# KiCad board JL.kicad_pcb (continued)
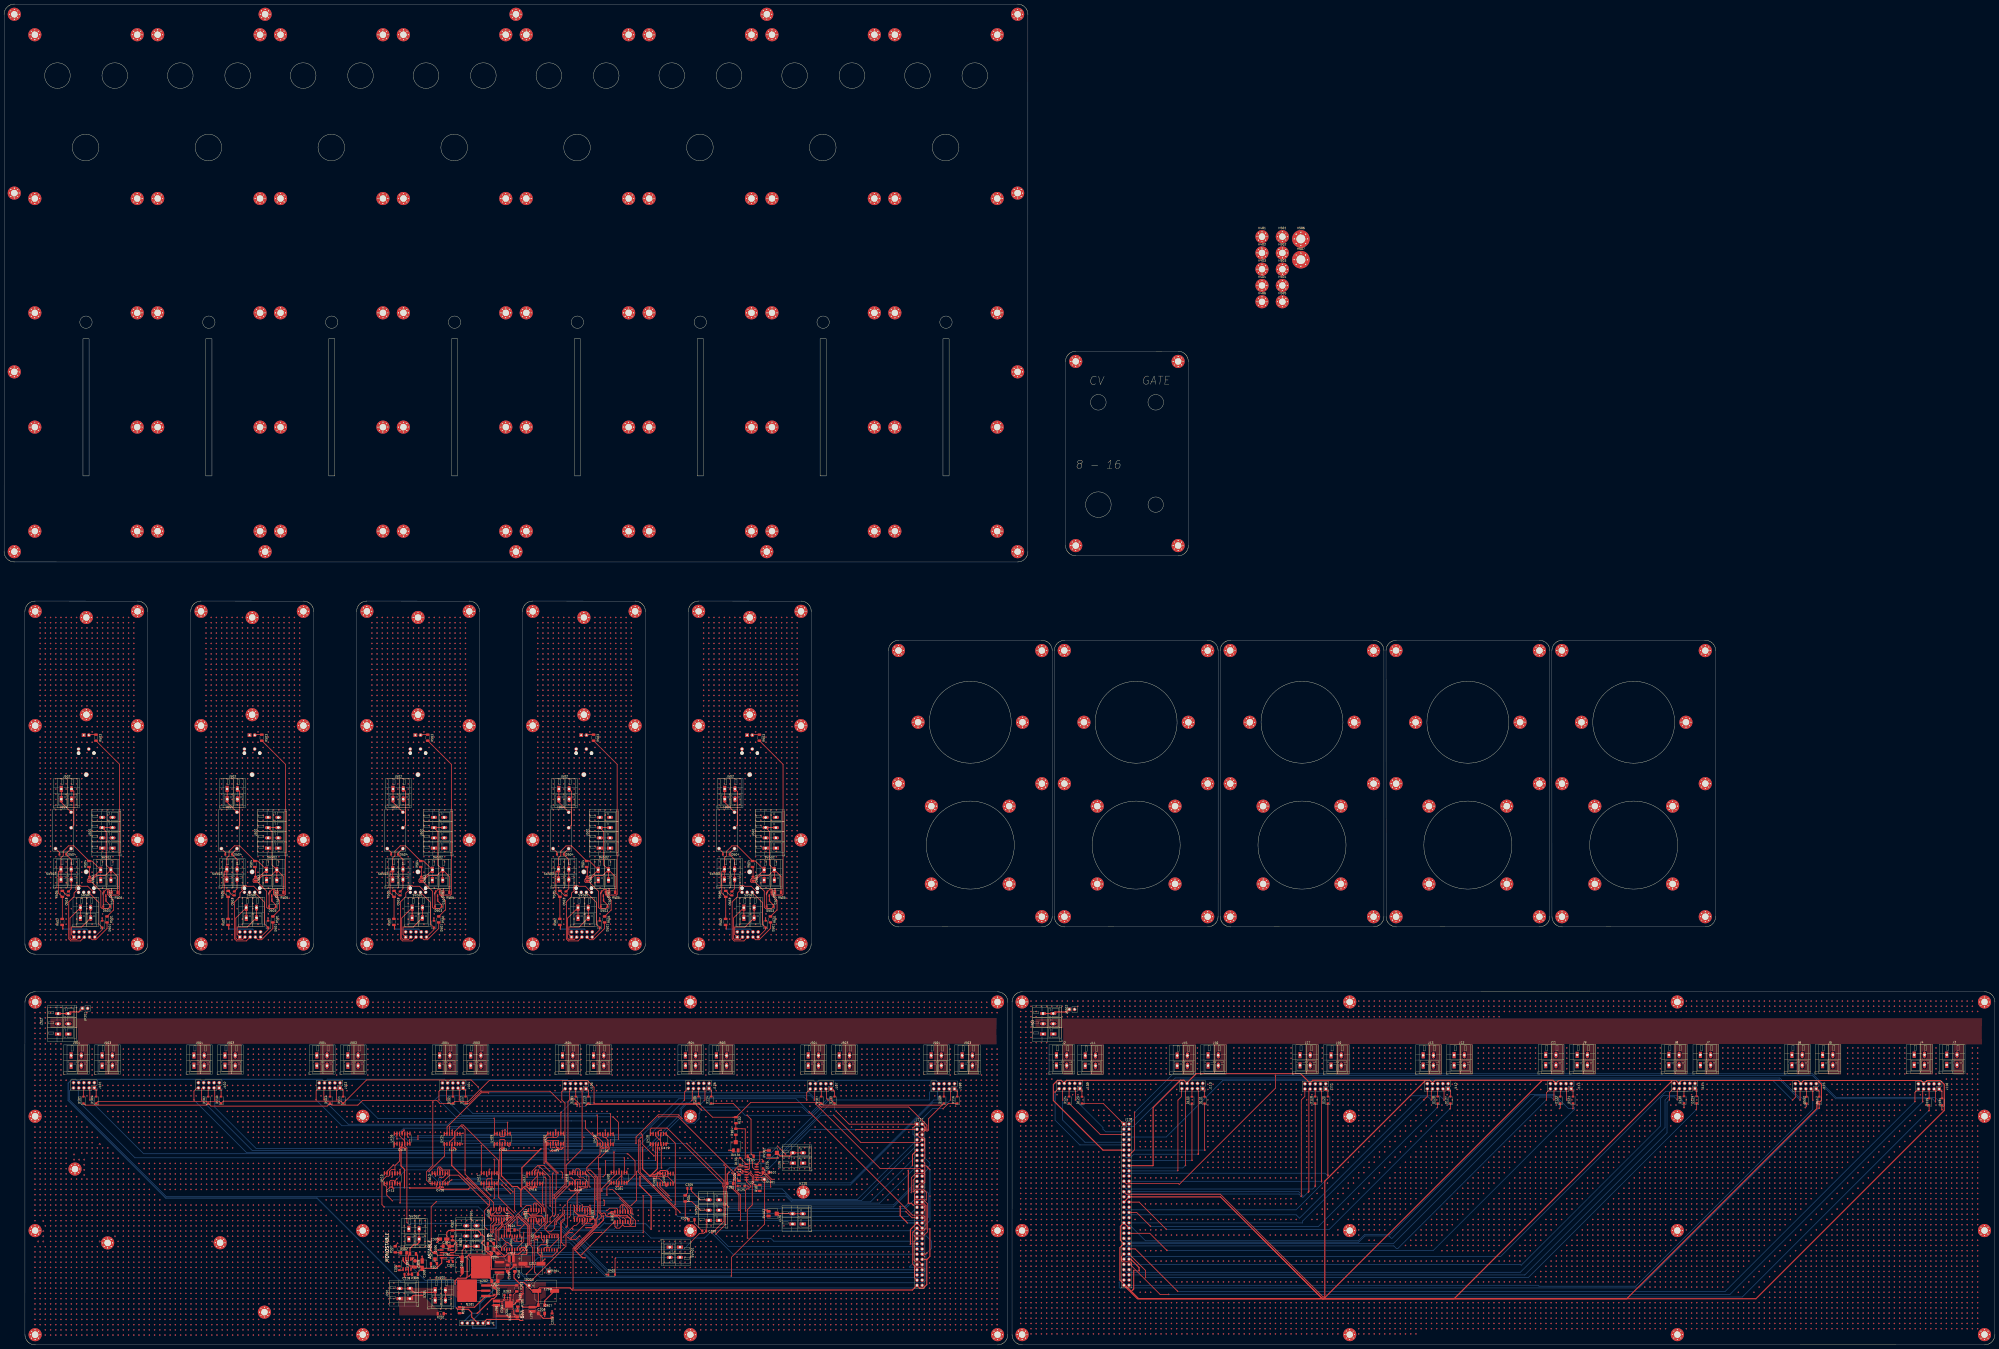
[diagram p0: board, top side]
## Routing (per net, layer and track width the routed paths; a pad name or vN(x,y) marks a point on that pad's centre or on a via; arc(x,y) is an arc through that point) (continued)
v1(241.13,164.83) v1(241.13,162.29) v1(241.13,144.51) v1(241.13,141.97) v1(241.13,139.43) v1(241.13,136.89) v1(241.13,134.35) v1(241.13,131.81) v1(241.13,126.73) v1(241.13,119.11) v1(241.13,116.57) v1(241.13,114.03) v1(241.13,4.81) v1(243.67,167.37) v1(243.67,164.83) v1(243.67,162.29) v1(243.67,144.51) v1(243.67,141.97) v1(243.67,139.43) v1(243.67,136.89) v1(243.67,134.35) v1(243.67,131.81) v1(243.67,126.73) v1(243.67,119.11) v1(243.67,116.57) v1(243.67,114.03) v1(243.67,9.89) v1(243.67,7.35) v1(243.67,4.81) v1(246.21,167.37) v1(246.21,164.83) v1(246.21,162.29) v1(246.21,144.51) v1(246.21,141.97) v1(246.21,139.43) v1(246.21,136.89) v1(246.21,134.35) v1(246.21,131.81) v1(246.21,126.73) v1(246.21,119.11) v1(246.21,116.57) v1(246.21,114.03) v1(246.21,32.75) v1(246.21,9.89) v1(246.21,7.35) v1(246.21,4.81) v1(248.75,167.37) v1(248.75,164.83) v1(248.75,162.29) v1(248.75,144.51) v1(248.75,141.97) v1(248.75,139.43) v1(248.75,136.89) v1(248.75,134.35) v1(248.75,131.81) v1(248.75,126.73) v1(248.75,119.11) v1(248.75,116.57) v1(248.75,114.03) v1(248.75,96.25) v1(248.75,9.89) v1(248.75,7.35) v1(248.75,4.81) v1(251.29,167.37) v1(251.29,164.83) v1(251.29,162.29) v1(251.29,144.51) v1(251.29,141.97) v1(251.29,139.43) v1(251.29,136.89) v1(251.29,134.35) v1(251.29,131.81) v1(251.29,126.73) v1(251.29,119.11) v1(251.29,116.57) v1(251.29,114.03) v1(251.29,96.25) v1(251.29,32.75) v1(251.29,9.89) v1(251.29,7.35) v1(251.29,4.81) v1(253.83,167.37) v1(253.83,164.83) v1(253.83,162.29) v1(253.83,144.51) v1(253.83,141.97) v1(253.83,139.43) v1(253.83,136.89) v1(253.83,134.35) v1(253.83,131.81) v1(253.83,126.73) v1(253.83,119.11) v1(253.83,116.57) v1(253.83,114.03) v1(253.83,96.25) v1(253.83,9.89) v1(253.83,7.35) v1(253.83,4.81) v1(256.37,167.37) v1(256.37,164.83) v1(256.37,162.29) v1(256.37,144.51) v1(256.37,141.97) v1(256.37,139.43) v1(256.37,136.89) v1(256.37,134.35) v1(256.37,131.81) v1(256.37,126.73) v1(256.37,119.11) v1(256.37,116.57) v1(256.37,114.03) v1(256.37,96.25) v1(256.37,9.89) v1(256.37,7.35) v1(256.37,4.81) v1(258.91,167.37) v1(258.91,164.83) v1(258.91,162.29) v1(258.91,144.51) v1(258.91,141.97) v1(258.91,139.43) v1(258.91,136.89) v1(258.91,134.35) v1(258.91,131.81) v1(258.91,126.73) v1(258.91,119.11) v1(258.91,116.57) v1(258.91,114.03) v1(258.91,96.25) v1(258.91,9.89) v1(258.91,7.35) v1(258.91,4.81) v1(261.45,167.37) v1(261.45,164.83) v1(261.45,162.29) v1(261.45,144.51) v1(261.45,141.97) v1(261.45,139.43) v1(261.45,136.89) v1(261.45,134.35) v1(261.45,131.81) v1(261.45,126.73) v1(261.45,119.11) v1(261.45,116.57) v1(261.45,114.03) v1(261.45,9.89) v1(261.45,7.35) v1(261.45,4.81) v1(263.99,167.37) v1(263.99,164.83) v1(263.99,162.29) v1(263.99,144.51) v1(263.99,141.97) v1(263.99,139.43) v1(263.99,136.89) v1(263.99,134.35) v1(263.99,131.81) v1(263.99,126.73) v1(263.99,119.11) v1(263.99,116.57) v1(263.99,114.03) v1(263.99,35.29) v1(263.99,17.51) v1(263.99,9.89) v1(263.99,7.35) v1(263.99,4.81) v1(266.53,167.37) v1(266.53,164.83) v1(266.53,162.29) v1(266.53,144.51) v1(266.53,141.97) v1(266.53,139.43) v1(266.53,136.89) v1(266.53,134.35) v1(266.53,131.81) v1(266.53,126.73) v1(266.53,119.11) v1(266.53,116.57) v1(266.53,114.03) v1(266.53,37.83) v1(266.53,9.89) v1(266.53,7.35) v1(266.53,4.81) v1(269.07,167.37) v1(269.07,164.83) v1(269.07,162.29) v1(269.07,126.73) v1(269.07,124.19) v1(269.07,119.11) v1(269.07,116.57) v1(269.07,114.03) v1(269.07,40.37) v1(269.07,37.83) v1(269.07,35.29) v1(269.07,22.59) v1(269.07,20.05) v1(269.07,17.51) v1(269.07,9.89) v1(269.07,7.35) v1(269.07,4.81) v1(271.61,167.37) v1(271.61,164.83) v1(271.61,162.29) v1(271.61,126.73) v1(271.61,116.57) v1(271.61,68.31) v1(271.61,65.77) v1(271.61,40.37) v1(271.61,37.83) v1(271.61,35.29) v1(271.61,22.59) v1(271.61,20.05) v1(271.61,17.51) v1(271.61,14.97) v1(271.61,12.43) v1(271.61,9.89) v1(271.61,7.35) v1(271.61,4.81) v1(274.15,167.37) v1(274.15,164.83) v1(274.15,162.29) v1(274.15,40.37) v1(274.15,37.83) v1(274.15,35.29) v1(274.15,25.13) v1(274.15,22.59) v1(274.15,20.05) v1(274.15,17.51) v1(274.15,14.97) v1(274.15,12.43) v1(274.15,9.89) v1(274.15,7.35) v1(274.15,4.81) v1(276.69,167.37) v1(276.69,164.83) v1(276.69,162.29) v1(276.69,114.03) v1(276.69,60.69) v1(276.69,40.37) v1(276.69,37.83) v1(276.69,35.29) v1(276.69,25.13) v1(276.69,22.59) v1(276.69,20.05) v1(276.69,17.51) v1(276.69,14.97) v1(276.69,12.43) v1(276.69,9.89) v1(276.69,7.35) v1(276.69,4.81) v1(279.23,167.37) v1(279.23,164.83) v1(279.23,162.29) v1(279.23,114.03) v1(279.23,40.37) v1(279.23,37.83) v1(279.23,35.29) v1(279.23,25.13) v1(279.23,22.59) v1(279.23,20.05) v1(279.23,17.51) v1(279.23,14.97) v1(279.23,12.43) v1(279.23,9.89) v1(279.23,7.35) v1(279.23,4.81) v1(281.77,167.37) v1(281.77,164.83) v1(281.77,162.29) v1(281.77,144.51) v1(281.77,141.97) v1(281.77,139.43) v1(281.77,136.89) v1(281.77,134.35) v1(281.77,131.81) v1(281.77,40.37) v1(281.77,37.83) v1(281.77,35.29) v1(281.77,25.13) v1(281.77,22.59) v1(281.77,20.05) v1(281.77,17.51) v1(281.77,14.97) v1(281.77,12.43) v1(281.77,9.89) v1(281.77,7.35) v1(281.77,4.81) v1(284.31,167.37) v1(284.31,164.83) v1(284.31,162.29) v1(284.31,114.03) v1(284.31,40.37) v1(284.31,37.83) v1(284.31,35.29) v1(284.31,25.13) v1(284.31,22.59) v1(284.31,20.05) v1(284.31,17.51) v1(284.31,14.97) v1(284.31,12.43) v1(284.31,9.89) v1(284.31,7.35) v1(284.31,4.81) v1(286.85,167.37) v1(286.85,164.83) v1(286.85,162.29) v1(286.85,124.19) v1(286.85,114.03) v1(286.85,108.95) v1(286.85,37.83) v1(286.85,35.29) v1(286.85,25.13) v1(286.85,22.59) v1(286.85,20.05) v1(286.85,17.51) v1(286.85,14.97) v1(286.85,12.43) v1(286.85,9.89) v1(286.85,7.35) v1(286.85,4.81) v1(289.39,167.37) v1(289.39,164.83) v1(289.39,162.29) v1(289.39,126.73) v1(289.39,124.19) v1(289.39,114.03) v1(289.39,45.45) v1(289.39,35.29) v1(289.39,25.13) v1(289.39,22.59) v1(289.39,20.05) v1(289.39,17.51) v1(289.39,14.97) v1(289.39,12.43) v1(289.39,9.89) v1(289.39,7.35) v1(289.39,4.81) v1(291.93,167.37) v1(291.93,164.83) v1(291.93,162.29) v1(291.93,126.73) v1(291.93,124.19) v1(291.93,119.11) v1(291.93,114.03) v1(291.93,108.95) v1(291.93,50.53) v1(291.93,45.45) v1(291.93,42.91) v1(291.93,25.13) v1(291.93,22.59) v1(291.93,20.05) v1(291.93,17.51) v1(291.93,14.97) v1(291.93,12.43) v1(291.93,9.89) v1(291.93,7.35) v1(294.47,167.37) v1(294.47,164.83) v1(294.47,162.29) v1(294.47,126.73) v1(294.47,124.19) v1(294.47,119.11) v1(294.47,114.03) v1(294.47,108.95) v1(294.47,53.07) v1(294.47,50.53) v1(294.47,45.45) v1(294.47,42.91) v1(294.47,40.37) v1(294.47,25.13) v1(294.47,22.59) v1(294.47,20.05) v1(294.47,17.51) v1(294.47,14.97) v1(294.47,12.43) v1(294.47,9.89) v1(294.47,7.35) v1(297.01,167.37) v1(297.01,164.83) v1(297.01,162.29) v1(297.01,144.51) v1(297.01,141.97) v1(297.01,139.43) v1(297.01,136.89) v1(297.01,134.35) v1(297.01,131.81) v1(297.01,126.73) v1(297.01,124.19) v1(297.01,119.11) v1(297.01,53.07) v1(297.01,50.53) v1(297.01,45.45) v1(297.01,42.91) v1(297.01,40.37) v1(297.01,37.83) v1(297.01,25.13) v1(297.01,22.59) v1(297.01,20.05) v1(297.01,17.51) v1(297.01,14.97) v1(297.01,12.43) v1(297.01,9.89) v1(297.01,7.35) v1(299.55,167.37) v1(299.55,164.83) v1(299.55,162.29) v1(299.55,144.51) v1(299.55,141.97) v1(299.55,139.43) v1(299.55,136.89) v1(299.55,134.35) v1(299.55,131.81) v1(299.55,126.73) v1(299.55,124.19) v1(299.55,119.11) v1(299.55,114.03) v1(299.55,111.49) v1(299.55,53.07) v1(299.55,50.53) v1(299.55,45.45) v1(299.55,40.37) v1(299.55,37.83) v1(299.55,25.13) v1(299.55,22.59) v1(299.55,20.05) v1(299.55,17.51) v1(299.55,14.97) v1(299.55,12.43) v1(299.55,9.89) v1(299.55,7.35) v1(302.09,167.37) v1(302.09,164.83) v1(302.09,162.29) v1(302.09,144.51) v1(302.09,141.97) v1(302.09,139.43) v1(302.09,136.89) v1(302.09,134.35) v1(302.09,131.81) v1(302.09,126.73) v1(302.09,124.19) v1(302.09,119.11) v1(302.09,114.03) v1(302.09,111.49) v1(302.09,108.95) v1(302.09,53.07) v1(302.09,50.53) v1(302.09,45.45) v1(302.09,40.37) v1(302.09,37.83) v1(302.09,25.13) v1(302.09,22.59) v1(302.09,20.05) v1(302.09,17.51) v1(302.09,14.97) v1(302.09,12.43) v1(302.09,9.89) v1(302.09,7.35) v1(304.63,167.37) v1(304.63,164.83) v1(304.63,162.29) v1(304.63,144.51) v1(304.63,141.97) v1(304.63,139.43) v1(304.63,136.89) v1(304.63,134.35) v1(304.63,131.81) v1(304.63,126.73) v1(304.63,124.19) v1(304.63,119.11) v1(304.63,114.03) v1(304.63,111.49) v1(304.63,108.95) v1(304.63,91.17) v1(304.63,86.09) v1(304.63,53.07) v1(304.63,50.53) v1(304.63,45.45) v1(304.63,40.37) v1(304.63,37.83) v1(304.63,25.13) v1(304.63,22.59) v1(304.63,20.05) v1(304.63,17.51) v1(304.63,14.97) v1(304.63,12.43) v1(304.63,9.89) v1(304.63,7.35) v1(307.17,167.37) v1(307.17,164.83) v1(307.17,162.29) v1(307.17,144.51) v1(307.17,141.97) v1(307.17,139.43) v1(307.17,136.89) v1(307.17,134.35) v1(307.17,131.81) v1(307.17,126.73) v1(307.17,124.19) v1(307.17,119.11) v1(307.17,114.03) v1(307.17,111.49) v1(307.17,108.95) v1(307.17,53.07) v1(307.17,50.53) v1(307.17,45.45) v1(307.17,40.37) v1(307.17,37.83) v1(307.17,25.13) v1(307.17,22.59) v1(307.17,20.05) v1(307.17,17.51) v1(307.17,14.97) v1(307.17,12.43) v1(307.17,9.89) v1(307.17,7.35) v1(309.71,167.37) v1(309.71,164.83) v1(309.71,162.29) v1(309.71,144.51) v1(309.71,141.97) v1(309.71,139.43) v1(309.71,136.89) v1(309.71,134.35) v1(309.71,131.81) v1(309.71,126.73) v1(309.71,124.19) v1(309.71,119.11) v1(309.71,114.03) v1(309.71,111.49) v1(309.71,108.95) v1(309.71,65.77) v1(309.71,63.23) v1(309.71,60.69) v1(309.71,53.07) v1(309.71,50.53) v1(309.71,45.45) v1(309.71,40.37) v1(309.71,37.83) v1(309.71,25.13) v1(309.71,22.59) v1(309.71,20.05) v1(309.71,17.51) v1(309.71,14.97) v1(309.71,12.43) v1(309.71,9.89) v1(309.71,7.35) v1(312.25,167.37) v1(312.25,164.83) v1(312.25,162.29) v1(312.25,144.51) v1(312.25,141.97) v1(312.25,139.43) v1(312.25,136.89) v1(312.25,134.35) v1(312.25,131.81) v1(312.25,126.73) v1(312.25,124.19) v1(312.25,119.11) v1(312.25,114.03) v1(312.25,111.49) v1(312.25,108.95) v1(312.25,53.07) v1(312.25,50.53) v1(312.25,45.45) v1(312.25,40.37) v1(312.25,37.83) v1(312.25,25.13) v1(312.25,22.59) v1(312.25,20.05) v1(312.25,17.51) v1(312.25,14.97) v1(312.25,12.43) v1(312.25,9.89) v1(312.25,7.35) v1(314.79,167.37) v1(314.79,164.83) v1(314.79,162.29) v1(314.79,144.51) v1(314.79,141.97) v1(314.79,139.43) v1(314.79,136.89) v1(314.79,134.35) v1(314.79,131.81) v1(314.79,126.73) v1(314.79,124.19) v1(314.79,119.11) v1(314.79,114.03) v1(314.79,111.49) v1(314.79,91.17) v1(314.79,65.77) v1(314.79,63.23) v1(314.79,60.69) v1(314.79,50.53) v1(314.79,45.45) v1(314.79,40.37) v1(314.79,37.83) v1(314.79,25.13) v1(314.79,22.59) v1(314.79,20.05) v1(314.79,17.51) v1(314.79,14.97) v1(314.79,12.43) v1(314.79,9.89) v1(314.79,7.35) v1(317.33,167.37) v1(317.33,164.83) v1(317.33,162.29) v1(317.33,144.51) v1(317.33,141.97) v1(317.33,139.43) v1(317.33,136.89) v1(317.33,134.35) v1(317.33,131.81) v1(317.33,126.73) v1(317.33,124.19) v1(317.33,119.11) v1(317.33,114.03) v1(317.33,65.77) v1(317.33,63.23) v1(317.33,60.69) v1(317.33,58.15) v1(317.33,50.53) v1(317.33,45.45) v1(317.33,40.37) v1(317.33,37.83) v1(317.33,25.13) v1(317.33,22.59) v1(317.33,20.05) v1(317.33,17.51) v1(317.33,14.97) v1(317.33,12.43) v1(317.33,9.89) v1(317.33,7.35) v1(319.87,167.37) v1(319.87,164.83) v1(319.87,162.29) v1(319.87,144.51) v1(319.87,141.97) v1(319.87,139.43) v1(319.87,136.89) v1(319.87,134.35) v1(319.87,131.81) v1(319.87,126.73) v1(319.87,124.19) v1(319.87,119.11) v1(319.87,114.03) v1(319.87,65.77) v1(319.87,63.23) v1(319.87,60.69) v1(319.87,58.15) v1(319.87,55.61) v1(319.87,50.53) v1(319.87,45.45) v1(319.87,40.37) v1(319.87,37.83) v1(319.87,25.13) v1(319.87,22.59) v1(319.87,20.05) v1(319.87,17.51) v1(319.87,14.97) v1(319.87,12.43) v1(319.87,9.89) v1(319.87,7.35) v1(322.41,167.37) v1(322.41,164.83) v1(322.41,162.29) v1(322.41,144.51) v1(322.41,141.97) v1(322.41,139.43) v1(322.41,136.89) v1(322.41,134.35) v1(322.41,131.81) v1(322.41,126.73) v1(322.41,124.19) v1(322.41,119.11) v1(322.41,96.25) v1(322.41,91.17) v1(322.41,65.77) v1(322.41,63.23) v1(322.41,60.69) v1(322.41,58.15) v1(322.41,55.61) v1(322.41,50.53) v1(322.41,45.45) v1(322.41,40.37) v1(322.41,37.83) v1(322.41,25.13) v1(322.41,22.59) v1(322.41,20.05) v1(322.41,17.51) v1(322.41,14.97) v1(322.41,12.43) v1(322.41,9.89) v1(322.41,7.35) v1(324.95,167.37) v1(324.95,164.83) v1(324.95,162.29) v1(324.95,144.51) v1(324.95,141.97) v1(324.95,139.43) v1(324.95,136.89) v1(324.95,134.35) v1(324.95,131.81) v1(324.95,126.73) v1(324.95,124.19) v1(324.95,119.11) v1(324.95,96.25) v1(324.95,91.17) v1(324.95,65.77) v1(324.95,63.23) v1(324.95,60.69) v1(324.95,58.15) v1(324.95,55.61) v1(324.95,50.53) v1(324.95,45.45) v1(324.95,40.37) v1(324.95,37.83) v1(324.95,25.13) v1(324.95,22.59) v1(324.95,20.05) v1(324.95,17.51) v1(324.95,14.97) v1(324.95,12.43) v1(324.95,9.89) v1(324.95,7.35) v1(327.49,167.37) v1(327.49,164.83) v1(327.49,162.29) v1(327.49,144.51) v1(327.49,141.97) v1(327.49,139.43) v1(327.49,136.89) v1(327.49,134.35) v1(327.49,131.81) v1(327.49,126.73) v1(327.49,124.19) v1(327.49,60.69) v1(327.49,58.15) v1(327.49,55.61) v1(327.49,50.53) v1(327.49,45.45) v1(327.49,40.37) v1(327.49,37.83) v1(327.49,25.13) v1(327.49,22.59) v1(327.49,20.05) v1(327.49,17.51) v1(327.49,14.97) v1(327.49,12.43) v1(327.49,9.89) v1(327.49,7.35) v1(330.03,167.37) v1(330.03,164.83) v1(330.03,162.29) v1(330.03,126.73) v1(330.03,124.19) v1(330.03,106.41) v1(330.03,103.87) v1(330.03,96.25) v1(330.03,91.17) v1(330.03,60.69) v1(330.03,58.15) v1(330.03,55.61) v1(330.03,50.53) v1(330.03,45.45) v1(330.03,40.37) v1(330.03,37.83) v1(330.03,25.13) v1(330.03,22.59) v1(330.03,20.05) v1(330.03,17.51) v1(330.03,14.97) v1(330.03,12.43) v1(330.03,9.89) v1(330.03,7.35) v1(332.57,162.29) v1(332.57,103.87) v1(332.57,101.33) v1(332.57,91.17) v1(332.57,60.69) v1(332.57,50.53) v1(332.57,45.45) v1(332.57,42.91) v1(332.57,40.37) v1(332.57,37.83) v1(332.57,25.13) v1(332.57,22.59) v1(332.57,20.05) v1(332.57,17.51) v1(332.57,14.97) v1(332.57,12.43) v1(332.57,9.89) v1(335.11,162.29) v1(335.11,101.33) v1(335.11,98.79) v1(335.11,91.17) v1(335.11,65.77) v1(335.11,45.45) v1(335.11,42.91) v1(335.11,40.37) v1(335.11,37.83) v1(335.11,25.13) v1(335.11,22.59) v1(335.11,20.05) v1(335.11,17.51) v1(335.11,14.97) v1(335.11,12.43) v1(335.11,9.89) v1(337.65,162.29) v1(337.65,119.11) v1(337.65,106.41) v1(337.65,98.79) v1(337.65,96.25) v1(337.65,65.77) v1(337.65,47.99) v1(337.65,45.45) v1(337.65,42.91) v1(337.65,40.37) v1(337.65,37.83) v1(337.65,25.13) v1(337.65,22.59) v1(337.65,20.05) v1(337.65,17.51) v1(337.65,14.97) v1(337.65,12.43) v1(337.65,9.89) v1(340.19,167.37) v1(340.19,164.83) v1(340.19,162.29) v1(340.19,108.95) v1(340.19,106.41) v1(340.19,103.87) v1(340.19,96.25) v1(340.19,60.69) v1(340.19,50.53) v1(340.19,47.99) v1(340.19,45.45) v1(340.19,42.91) v1(340.19,40.37) v1(340.19,37.83) v1(340.19,25.13) v1(340.19,22.59) v1(340.19,20.05) v1(340.19,17.51) v1(340.19,14.97) v1(340.19,12.43) v1(340.19,9.89) v1(340.19,7.35) v1(342.73,167.37) v1(342.73,164.83) v1(342.73,162.29) v1(342.73,144.51) v1(342.73,141.97) v1(342.73,139.43) v1(342.73,136.89) v1(342.73,134.35) v1(342.73,131.81) v1(342.73,111.49) v1(342.73,108.95) v1(342.73,106.41) v1(342.73,103.87) v1(342.73,101.33) v1(342.73,91.17) v1(342.73,50.53) v1(342.73,47.99) v1(342.73,45.45) v1(342.73,42.91) v1(342.73,40.37) v1(342.73,37.83) v1(342.73,25.13) v1(342.73,22.59) v1(342.73,20.05) v1(342.73,17.51) v1(342.73,14.97) v1(342.73,12.43) v1(342.73,9.89) v1(342.73,7.35) v1(345.27,167.37) v1(345.27,164.83) v1(345.27,162.29) v1(345.27,108.95) v1(345.27,106.41) v1(345.27,103.87) v1(345.27,101.33) v1(345.27,98.79) v1(345.27,91.17) v1(345.27,58.15) v1(345.27,50.53) v1(345.27,47.99) v1(345.27,45.45) v1(345.27,42.91) v1(345.27,40.37) v1(345.27,37.83) v1(345.27,25.13) v1(345.27,22.59) v1(345.27,20.05) v1(345.27,17.51) v1(345.27,14.97) v1(345.27,12.43) v1(345.27,9.89) v1(345.27,7.35) v1(347.81,167.37) v1(347.81,164.83) v1(347.81,162.29) v1(347.81,126.73) v1(347.81,124.19) v1(347.81,119.11) v1(347.81,108.95) v1(347.81,106.41) v1(347.81,103.87) v1(347.81,101.33) v1(347.81,98.79) v1(347.81,96.25) v1(347.81,47.99) v1(347.81,45.45) v1(347.81,42.91) v1(347.81,40.37) v1(347.81,37.83) v1(347.81,25.13) v1(347.81,22.59) v1(347.81,20.05) v1(347.81,17.51) v1(347.81,14.97) v1(347.81,12.43) v1(347.81,9.89) v1(347.81,7.35) v1(350.35,167.37) v1(350.35,164.83) v1(350.35,162.29) v1(350.35,126.73) v1(350.35,124.19) v1(350.35,119.11) v1(350.35,108.95) v1(350.35,106.41) v1(350.35,103.87) v1(350.35,101.33) v1(350.35,98.79) v1(350.35,96.25) v1(350.35,45.45) v1(350.35,42.91) v1(350.35,40.37) v1(350.35,37.83) v1(350.35,25.13) v1(350.35,22.59) v1(350.35,20.05) v1(350.35,17.51) v1(350.35,14.97) v1(350.35,12.43) v1(350.35,9.89) v1(350.35,7.35) v1(352.89,167.37) v1(352.89,164.83) v1(352.89,162.29) v1(352.89,126.73) v1(352.89,124.19) v1(352.89,119.11) v1(352.89,108.95) v1(352.89,106.41) v1(352.89,103.87) v1(352.89,101.33) v1(352.89,98.79) v1(352.89,91.17) v1(352.89,53.07) v1(352.89,42.91) v1(352.89,40.37) v1(352.89,37.83) v1(352.89,25.13) v1(352.89,22.59) v1(352.89,20.05) v1(352.89,17.51) v1(352.89,14.97) v1(352.89,12.43) v1(352.89,9.89) v1(352.89,7.35) v1(355.43,167.37) v1(355.43,164.83) v1(355.43,162.29) v1(355.43,126.73) v1(355.43,124.19) v1(355.43,119.11) v1(355.43,108.95) v1(355.43,106.41) v1(355.43,103.87) v1(355.43,101.33) v1(355.43,98.79) v1(355.43,91.17) v1(355.43,70.85) v1(355.43,60.69) v1(355.43,58.15) v1(355.43,53.07) v1(355.43,50.53) v1(355.43,25.13) v1(355.43,22.59) v1(355.43,20.05) v1(355.43,17.51) v1(355.43,14.97) v1(355.43,12.43) v1(355.43,9.89) v1(355.43,7.35) v1(357.97,167.37) v1(357.97,164.83) v1(357.97,162.29) v1(357.97,144.51) v1(357.97,141.97) v1(357.97,139.43) v1(357.97,136.89) v1(357.97,134.35) v1(357.97,131.81) v1(357.97,126.73) v1(357.97,124.19) v1(357.97,119.11) v1(357.97,91.17) v1(357.97,58.15) v1(357.97,53.07) v1(357.97,50.53) v1(357.97,42.91) v1(357.97,40.37) v1(357.97,37.83) v1(357.97,25.13) v1(357.97,22.59) v1(357.97,20.05) v1(357.97,17.51) v1(357.97,14.97) v1(357.97,12.43) v1(357.97,9.89) v1(357.97,7.35) v1(360.51,167.37) v1(360.51,164.83) v1(360.51,162.29) v1(360.51,144.51) v1(360.51,141.97) v1(360.51,139.43) v1(360.51,136.89) v1(360.51,134.35) v1(360.51,131.81) v1(360.51,126.73) v1(360.51,124.19) v1(360.51,119.11) v1(360.51,108.95) v1(360.51,103.87) v1(360.51,101.33) v1(360.51,98.79) v1(360.51,96.25) v1(360.51,58.15) v1(360.51,53.07) v1(360.51,50.53) v1(360.51,45.45) v1(360.51,42.91) v1(360.51,40.37) v1(360.51,37.83) v1(360.51,25.13) v1(360.51,22.59) v1(360.51,20.05) v1(360.51,17.51) v1(360.51,14.97) v1(360.51,12.43) v1(360.51,9.89) v1(360.51,7.35) v1(363.05,167.37) v1(363.05,164.83) v1(363.05,162.29) v1(363.05,144.51) v1(363.05,141.97) v1(363.05,139.43) v1(363.05,136.89) v1(363.05,134.35) v1(363.05,131.81) v1(363.05,126.73) v1(363.05,124.19) v1(363.05,119.11) v1(363.05,114.03) v1(363.05,108.95) v1(363.05,106.41) v1(363.05,103.87) v1(363.05,101.33) v1(363.05,98.79) v1(363.05,96.25) v1(363.05,45.45) v1(363.05,42.91) v1(363.05,40.37) v1(363.05,37.83) v1(363.05,25.13) v1(363.05,22.59) v1(363.05,20.05) v1(363.05,17.51) v1(363.05,14.97) v1(363.05,12.43) v1(363.05,9.89) v1(363.05,7.35) v1(365.59,167.37) v1(365.59,164.83) v1(365.59,162.29) v1(365.59,144.51) v1(365.59,141.97) v1(365.59,139.43) v1(365.59,136.89) v1(365.59,134.35) v1(365.59,131.81) v1(365.59,126.73) v1(365.59,124.19) v1(365.59,114.03) v1(365.59,58.15) v1(365.59,50.53) v1(365.59,45.45) v1(365.59,42.91) v1(365.59,40.37) v1(365.59,37.83) v1(365.59,25.13) v1(365.59,22.59) v1(365.59,20.05) v1(365.59,17.51) v1(365.59,14.97) v1(365.59,12.43) v1(365.59,9.89) v1(365.59,7.35) v1(368.13,167.37) v1(368.13,164.83) v1(368.13,162.29) v1(368.13,144.51) v1(368.13,141.97) v1(368.13,139.43) v1(368.13,136.89) v1(368.13,134.35) v1(368.13,131.81) v1(368.13,126.73) v1(368.13,124.19) v1(368.13,114.03) v1(368.13,108.95) v1(368.13,106.41) v1(368.13,103.87) v1(368.13,101.33) v1(368.13,98.79) v1(368.13,96.25) v1(368.13,70.85) v1(368.13,58.15) v1(368.13,50.53) v1(368.13,45.45) v1(368.13,42.91) v1(368.13,40.37) v1(368.13,37.83) v1(368.13,25.13) v1(368.13,22.59) v1(368.13,20.05) v1(368.13,17.51) v1(368.13,14.97) v1(368.13,12.43) v1(368.13,9.89) v1(368.13,7.35) v1(370.67,167.37) v1(370.67,164.83) 